# KiCad board ENV_KB_RP2040.kicad_pcb
title: EnvKB; date: 2021-04-06; rev: Rev.1
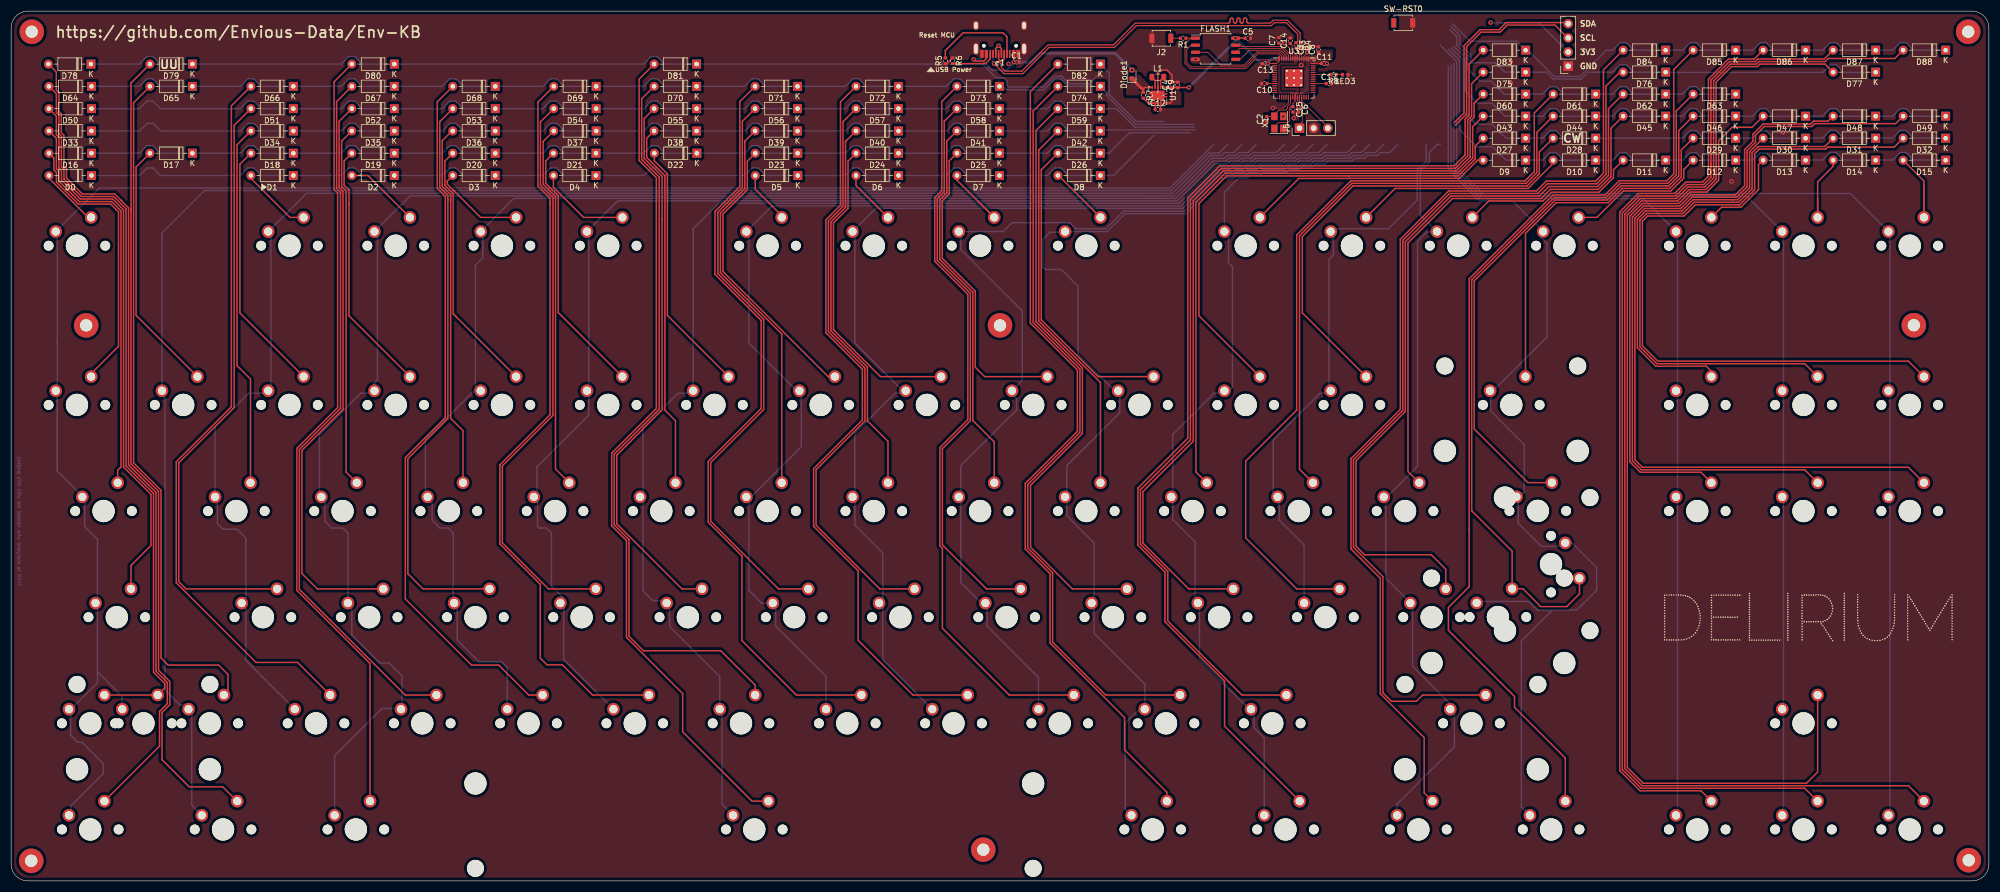
[diagram p0: board, top side]
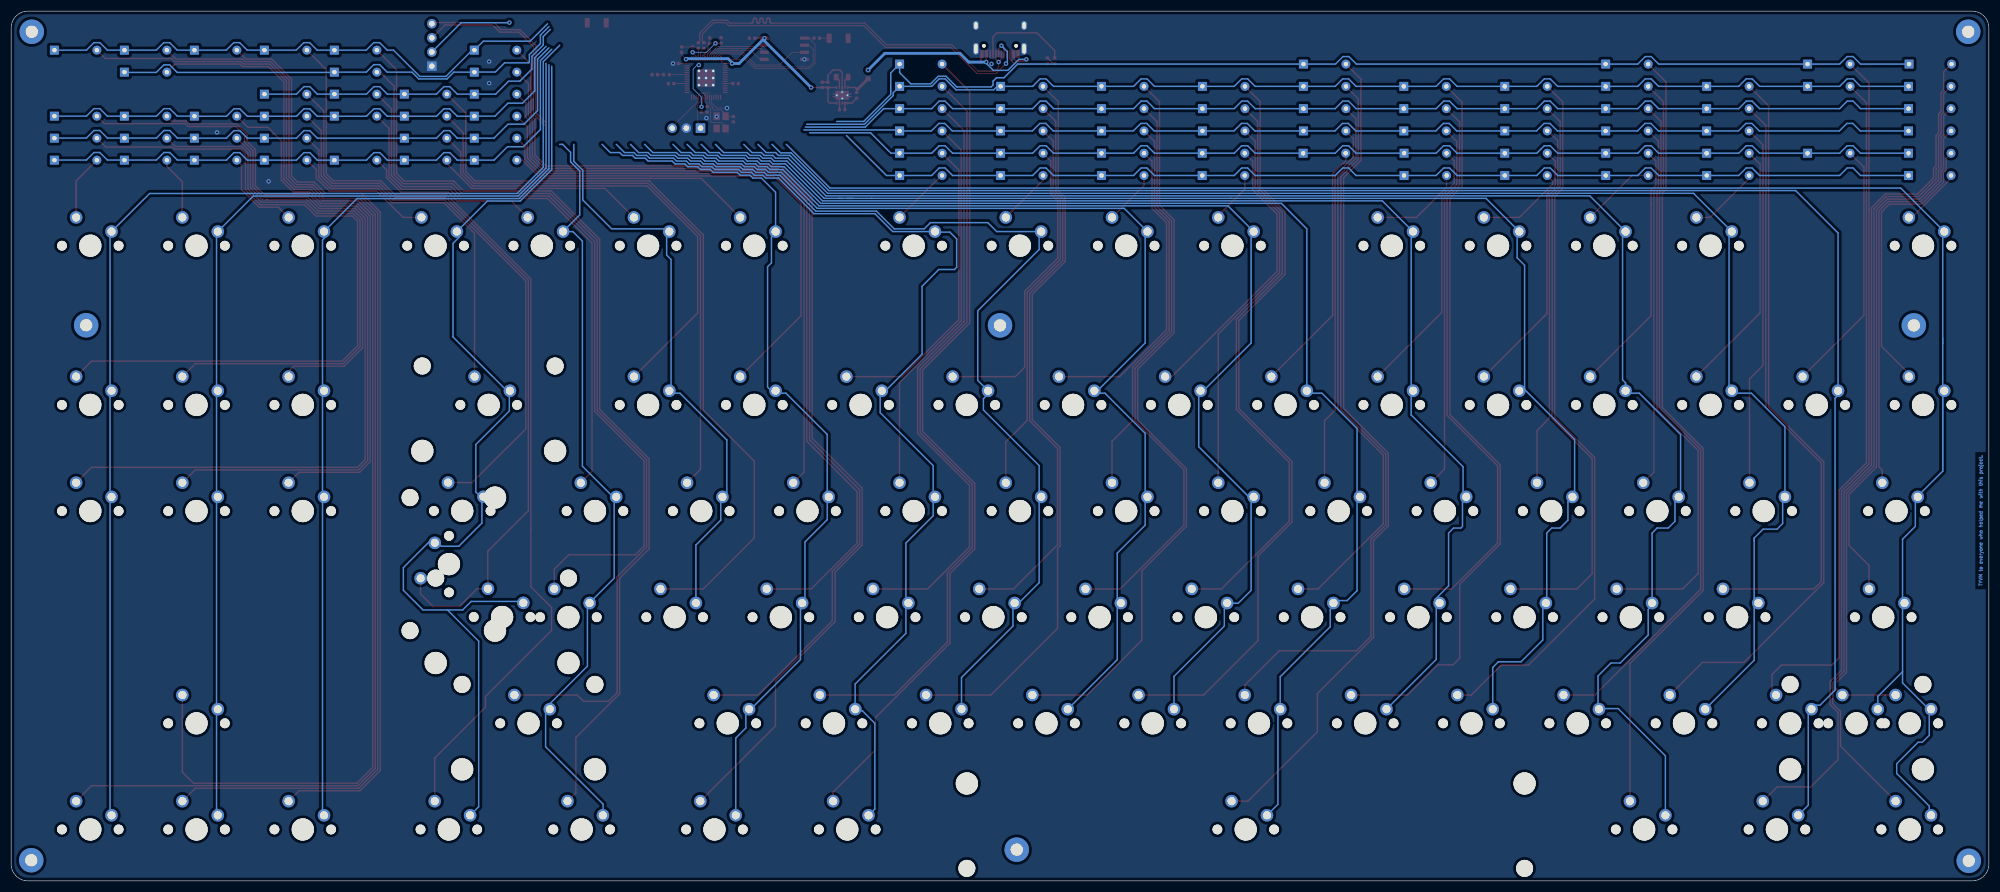
[diagram p1: board, bottom side, seen from below]

Outline 354.6 x 156.1 mm; copper layers: Top, Bottom. Coordinates in mm from the lower left corner of the outline.
Outline path: 0,153.1 arc(0.88,155.22) 3,156.1 351.6,156.1 arc(353.72,155.22) 354.6,153.1 354.6,3 arc(353.72,0.88) 351.6,0 3,0 arc(0.88,0.88) 0,3 0,153.1

## Placement (name value [footprint] x y rotation side)
C1  10uf 0402  [C_0402_1005Metric]  180.25 146.95 0 top
C2  15pf 0402  [C_0402_1005Metric]  225.1 136.7 90 top
C3  1uf 0402  [C_0402_1005Metric]  232.4 149.2 90 top
C4  10uf 0402  [C_0402_1005Metric]  208.15 142.87 90 top
C5  100nf 0402  [C_0402_1005Metric]  221.75 151.25 0 top
C6  100nf 0402  [C_0402_1005Metric]  230.82 138.45 270 top
C7  100nf 0402  [C_0402_1005Metric]  227.3 150.85 90 top
C8  100nf 0402  [C_0402_1005Metric]  234.4 149.2 90 top
C9  10uf 0402  [C_0402_1005Metric]  209.18 142.87 90 top
C10  1uf 0402  [C_0402_1005Metric]  224.7 143.1 180 top
C11  100nf 0402  [C_0402_1005Metric]  235.45 146.7 0 top
C12  0.1uf 0402  [C_0402_1005Metric]  205.6 138.43 0 top
C13  100nf 0402  [C_0402_1005Metric]  224.85 146.7 180 top
C14  100nf 0402  [C_0402_1005Metric]  229.35 150.8 90 top
C15  100nf 0402  [C_0402_1005Metric]  229.82 138.47 270 top
C17  10uf 0402  [C_0402_1005Metric]  236.27 143.1 0 top
D0  D  [D_DO-35_SOD27_P7.62mm_Horizontal]  14.4 126.6 180 top
D1  D  [D_DO-35_SOD27_P7.62mm_Horizontal]  50.6 126.6 180 top
D2  D  [D_DO-35_SOD27_P7.62mm_Horizontal]  68.7 126.6 180 top
D3  D  [D_DO-35_SOD27_P7.62mm_Horizontal]  86.8 126.6 180 top
D4  D  [D_DO-35_SOD27_P7.62mm_Horizontal]  104.85 126.6 180 top
D5  D  [D_DO-35_SOD27_P7.62mm_Horizontal]  141.04 126.6 180 top
D6  D  [D_DO-35_SOD27_P7.62mm_Horizontal]  159.1 126.6 180 top
D7  D  [D_DO-35_SOD27_P7.62mm_Horizontal]  177.2 126.6 180 top
D8  D  [D_DO-35_SOD27_P7.62mm_Horizontal]  195.3 126.6 180 top
D9  D  [D_DO-35_SOD27_P7.62mm_Horizontal]  271.55 129.35 180 top
D10  D  [D_DO-35_SOD27_P7.62mm_Horizontal]  284.1 129.35 180 top
D11  D  [D_DO-35_SOD27_P7.62mm_Horizontal]  296.65 129.35 180 top
D12  D  [D_DO-35_SOD27_P7.62mm_Horizontal]  309.2 129.35 180 top
D13  D  [D_DO-35_SOD27_P7.62mm_Horizontal]  321.75 129.35 180 top
D14  D  [D_DO-35_SOD27_P7.62mm_Horizontal]  334.3 129.35 180 top
D15  D  [D_DO-35_SOD27_P7.62mm_Horizontal]  346.85 129.35 180 top
D16  D  [D_DO-35_SOD27_P7.62mm_Horizontal]  14.4 130.6 180 top
D17  D  [D_DO-35_SOD27_P7.62mm_Horizontal]  32.5 130.6 180 top
D18  D  [D_DO-35_SOD27_P7.62mm_Horizontal]  50.6 130.6 180 top
D19  D  [D_DO-35_SOD27_P7.62mm_Horizontal]  68.7 130.6 180 top
D20  D  [D_DO-35_SOD27_P7.62mm_Horizontal]  86.8 130.6 180 top
D21  D  [D_DO-35_SOD27_P7.62mm_Horizontal]  104.85 130.6 180 top
D22  D  [D_DO-35_SOD27_P7.62mm_Horizontal]  122.94 130.6 180 top
D23  D  [D_DO-35_SOD27_P7.62mm_Horizontal]  141.03 130.6 180 top
D24  D  [D_DO-35_SOD27_P7.62mm_Horizontal]  159.1 130.6 180 top
D25  D  [D_DO-35_SOD27_P7.62mm_Horizontal]  177.2 130.6 180 top
D26  D  [D_DO-35_SOD27_P7.62mm_Horizontal]  195.3 130.6 180 top
D27  D  [D_DO-35_SOD27_P7.62mm_Horizontal]  271.55 133.3 180 top
D28  D  [D_DO-35_SOD27_P7.62mm_Horizontal]  284.1 133.3 180 top
D29  D  [D_DO-35_SOD27_P7.62mm_Horizontal]  309.2 133.3 180 top
D30  D  [D_DO-35_SOD27_P7.62mm_Horizontal]  321.75 133.3 180 top
D31  D  [D_DO-35_SOD27_P7.62mm_Horizontal]  334.3 133.3 180 top
D32  D  [D_DO-35_SOD27_P7.62mm_Horizontal]  346.85 133.3 180 top
D33  D  [D_DO-35_SOD27_P7.62mm_Horizontal]  14.4 134.6 180 top
D34  D  [D_DO-35_SOD27_P7.62mm_Horizontal]  50.6 134.6 180 top
D35  D  [D_DO-35_SOD27_P7.62mm_Horizontal]  68.7 134.6 180 top
D36  D  [D_DO-35_SOD27_P7.62mm_Horizontal]  86.8 134.6 180 top
D37  D  [D_DO-35_SOD27_P7.62mm_Horizontal]  104.9 134.6 180 top
D38  D  [D_DO-35_SOD27_P7.62mm_Horizontal]  122.9 134.6 180 top
D39  D  [D_DO-35_SOD27_P7.62mm_Horizontal]  141 134.6 180 top
D40  D  [D_DO-35_SOD27_P7.62mm_Horizontal]  159.1 134.6 180 top
D41  D  [D_DO-35_SOD27_P7.62mm_Horizontal]  177.2 134.6 180 top
D42  D  [D_DO-35_SOD27_P7.62mm_Horizontal]  195.3 134.6 180 top
D43  D  [D_DO-35_SOD27_P7.62mm_Horizontal]  271.55 137.25 180 top
D44  D  [D_DO-35_SOD27_P7.62mm_Horizontal]  284.1 137.25 180 top
D45  D  [D_DO-35_SOD27_P7.62mm_Horizontal]  296.65 137.25 180 top
D46  D  [D_DO-35_SOD27_P7.62mm_Horizontal]  309.2 137.25 180 top
D47  D  [D_DO-35_SOD27_P7.62mm_Horizontal]  321.75 137.25 180 top
D48  D  [D_DO-35_SOD27_P7.62mm_Horizontal]  334.3 137.25 180 top
D49  D  [D_DO-35_SOD27_P7.62mm_Horizontal]  346.85 137.25 180 top
D50  D  [D_DO-35_SOD27_P7.62mm_Horizontal]  14.4 138.6 180 top
D51  D  [D_DO-35_SOD27_P7.62mm_Horizontal]  50.6 138.6 180 top
D52  D  [D_DO-35_SOD27_P7.62mm_Horizontal]  68.7 138.6 180 top
D53  D  [D_DO-35_SOD27_P7.62mm_Horizontal]  86.8 138.6 180 top
D54  D  [D_DO-35_SOD27_P7.62mm_Horizontal]  104.9 138.6 180 top
D55  D  [D_DO-35_SOD27_P7.62mm_Horizontal]  122.9 138.6 180 top
D56  D  [D_DO-35_SOD27_P7.62mm_Horizontal]  141 138.6 180 top
D57  D  [D_DO-35_SOD27_P7.62mm_Horizontal]  159.1 138.6 180 top
D58  D  [D_DO-35_SOD27_P7.62mm_Horizontal]  177.2 138.6 180 top
D59  D  [D_DO-35_SOD27_P7.62mm_Horizontal]  195.3 138.6 180 top
D60  D  [D_DO-35_SOD27_P7.62mm_Horizontal]  271.55 141.2 180 top
D61  D  [D_DO-35_SOD27_P7.62mm_Horizontal]  284.1 141.2 180 top
D62  D  [D_DO-35_SOD27_P7.62mm_Horizontal]  296.65 141.2 180 top
D63  D  [D_DO-35_SOD27_P7.62mm_Horizontal]  309.2 141.2 180 top
D64  D  [D_DO-35_SOD27_P7.62mm_Horizontal]  14.4 142.6 180 top
D65  D  [D_DO-35_SOD27_P7.62mm_Horizontal]  32.5 142.6 180 top
D66  D  [D_DO-35_SOD27_P7.62mm_Horizontal]  50.6 142.6 180 top
D67  D  [D_DO-35_SOD27_P7.62mm_Horizontal]  68.7 142.6 180 top
D68  D  [D_DO-35_SOD27_P7.62mm_Horizontal]  86.8 142.6 180 top
D69  D  [D_DO-35_SOD27_P7.62mm_Horizontal]  104.9 142.6 180 top
D70  D  [D_DO-35_SOD27_P7.62mm_Horizontal]  122.9 142.6 180 top
D71  D  [D_DO-35_SOD27_P7.62mm_Horizontal]  141 142.6 180 top
D72  D  [D_DO-35_SOD27_P7.62mm_Horizontal]  159.1 142.6 180 top
D73  D  [D_DO-35_SOD27_P7.62mm_Horizontal]  177.2 142.6 180 top
D74  D  [D_DO-35_SOD27_P7.62mm_Horizontal]  195.3 142.6 180 top
D75  D  [D_DO-35_SOD27_P7.62mm_Horizontal]  271.55 145.15 180 top
D76  D  [D_DO-35_SOD27_P7.62mm_Horizontal]  296.65 145.15 180 top
D77  D  [D_DO-35_SOD27_P7.62mm_Horizontal]  334.3 145.15 180 top
D78  D  [D_DO-35_SOD27_P7.62mm_Horizontal]  14.3 146.6 180 top
D79  D  [D_DO-35_SOD27_P7.62mm_Horizontal]  32.5 146.6 180 top
D80  D  [D_DO-35_SOD27_P7.62mm_Horizontal]  68.7 146.6 180 top
D81  D  [D_DO-35_SOD27_P7.62mm_Horizontal]  122.9 146.6 180 top
D82  D  [D_DO-35_SOD27_P7.62mm_Horizontal]  195.3 146.6 180 top
D83  D  [D_DO-35_SOD27_P7.62mm_Horizontal]  271.55 149.1 180 top
D84  D  [D_DO-35_SOD27_P7.62mm_Horizontal]  296.65 149.1 180 top
D85  D  [D_DO-35_SOD27_P7.62mm_Horizontal]  309.2 149.1 180 top
D86  D  [D_DO-35_SOD27_P7.62mm_Horizontal]  321.75 149.1 180 top
D87  D  [D_DO-35_SOD27_P7.62mm_Horizontal]  334.3 149.1 180 top
D88  D  [D_DO-35_SOD27_P7.62mm_Horizontal]  346.85 149.1 180 top
Diode1  SCHOTTKY DIODE  [D_0603_1608Metric]  200.95 144.75 90 top
e1  TYPE-C-31-M-12  [HRO-TYPE-C-31-M-12]  177.3 156.12 180 top
FLASH1  W25Q16JVSSIQ  [SOIC-8_5.275x5.275mm_P1.27mm]  215.95 149.35 0 top
G***  LOGO  [KBLogo]  322.2 47.32 0 top
H0  MountingHole  [MountingHole_2.2mm_M2_Pad]  3.7 152.4 0 top
H1  MountingHole  [MountingHole_2.2mm_M2_Pad]  350.9 152.4 0 top
H3  MountingHole  [MountingHole_2.2mm_M2_Pad]  3.6 3.6 0 top
H4  MountingHole  [MountingHole_2.2mm_M2_Pad]  351 3.7 0 top
H6  MountingHole  [MountingHole_2.2mm_M2_Pad]  177.3 99.7 0 top
H7  MountingHole  [MountingHole_2.2mm_M2_Pad]  174.3 5.6 0 top
H9  MountingHole  [MountingHole_2.2mm_M2_Pad]  13.45 99.7 0 top
H10  MountingHole  [MountingHole_2.2mm_M2_Pad]  341.15 99.72 0 top
I2CHeader0  Conn_01x04  [PinSocket_1x04_P2.54mm_Vertical]  279.18 146.22 180 top
J2  B3U-1000P  [SW_SPST_B3U-1000P]  206.23 151.22 180 top
J5  Conn_01x03_Male  [PinHeader_1x03_P2.54mm_Vertical]  231 135.1 90 top
K_0  KEYSW  [MXOnly-1U-NoLED]  11.8 114 0 top
K_1  KEYSW  [MXOnly-1U-NoLED]  49.9 114 0 top
K_2  KEYSW  [MXOnly-1U-NoLED]  68.95 114 0 top
K_3  KEYSW  [MXOnly-1U-NoLED]  88 114 0 top
K_4  KEYSW  [MXOnly-1U-NoLED]  107.05 114 0 top
K_5  KEYSW  [MXOnly-1U-NoLED]  135.62 114 0 top
K_6  KEYSW  [MXOnly-1U-NoLED]  154.68 114 0 top
K_7  KEYSW  [MXOnly-1U-NoLED]  173.73 114 0 top
K_8  KEYSW  [MXOnly-1U-NoLED]  192.77 114 0 top
K_9  KEYSW  [MXOnly-1U-NoLED]  221.35 114 0 top
K_10  KEYSW  [MXOnly-1U-NoLED]  240.4 114 0 top
K_11  KEYSW  [MXOnly-1U-NoLED]  259.45 114 0 top
K_12  KEYSW  [MXOnly-1U-NoLED]  278.5 114 0 top
K_13  KEYSW  [MXOnly-1U-NoLED]  302.31 114 0 top
K_14  KEYSW  [MXOnly-1U-NoLED]  321.36 114 0 top
K_15  KEYSW  [MXOnly-1U-NoLED]  340.41 114 0 top
K_16  KEYSW  [MXOnly-1U-NoLED]  11.8 85.42 0 top
K_17  KEYSW  [MXOnly-1U-NoLED]  30.85 85.42 0 top
K_18  KEYSW  [MXOnly-1U-NoLED]  49.9 85.42 0 top
K_19  KEYSW  [MXOnly-1U-NoLED]  68.95 85.42 0 top
K_20  KEYSW  [MXOnly-1U-NoLED]  88 85.42 0 top
K_21  KEYSW  [MXOnly-1U-NoLED]  107.05 85.42 0 top
K_22  KEYSW  [MXOnly-1U-NoLED]  126.1 85.42 0 top
K_23  KEYSW  [MXOnly-1U-NoLED]  145.15 85.42 0 top
K_24  KEYSW  [MXOnly-1U-NoLED]  164.2 85.42 0 top
K_25  KEYSW  [MXOnly-1U-NoLED]  183.25 85.42 0 top
K_26  KEYSW  [MXOnly-1U-NoLED]  202.3 85.42 0 top
K_27  KEYSW  [MXOnly-1U-NoLED]  221.35 85.42 0 top
K_28  KEYSW  [MXOnly-1U-NoLED]  240.4 85.42 0 top
K_29  KEYSW  [MXOnly-2U-NoLED]  268.97 85.42 0 top
K_30  KEYSW  [MXOnly-1U-NoLED]  302.31 85.42 0 top
K_31  KEYSW  [MXOnly-1U-NoLED]  321.36 85.42 0 top
K_32  KEYSW  [MXOnly-1U-NoLED]  340.41 85.42 0 top
K_33  KEYSW  [MXOnly-1.5U-NoLED]  16.56 66.38 0 top
K_34  KEYSW  [MXOnly-1U-NoLED]  40.38 66.38 0 top
K_35  KEYSW  [MXOnly-1U-NoLED]  59.42 66.38 0 top
K_36  KEYSW  [MXOnly-1U-NoLED]  78.48 66.38 0 top
K_37  KEYSW  [MXOnly-1U-NoLED]  97.52 66.38 0 top
K_38  KEYSW  [MXOnly-1U-NoLED]  116.58 66.38 0 top
K_39  KEYSW  [MXOnly-1U-NoLED]  135.62 66.38 0 top
K_40  KEYSW  [MXOnly-1U-NoLED]  154.68 66.38 0 top
K_41  KEYSW  [MXOnly-1U-NoLED]  173.73 66.38 0 top
K_42  KEYSW  [MXOnly-1U-NoLED]  192.77 66.38 0 top
K_43  KEYSW  [MXOnly-1U-NoLED]  211.82 66.38 0 top
K_44  KEYSW  [MXOnly-1U-NoLED]  230.88 66.38 0 top
K_45  KEYSW  [MXOnly-1U-NoLED]  249.93 66.38 0 top
K_46  KEYSW  [MXOnly-1.5U-NoLED]  273.72 66.4 0 top
K_47  KEYSW  [MXOnly-1U-NoLED]  302.31 66.38 0 top
K_48  KEYSW  [MXOnly-1U-NoLED]  321.36 66.38 0 top
K_49  KEYSW  [MXOnly-1U-NoLED]  340.41 66.38 0 top
K_50  KEYSW  [MXOnly-1.75U-NoLED]  18.94 47.32 0 top
K_51  KEYSW  [MXOnly-1U-NoLED]  45.14 47.32 0 top
K_52  KEYSW  [MXOnly-1U-NoLED]  64.19 47.32 0 top
K_53  KEYSW  [MXOnly-1U-NoLED]  83.24 47.32 0 top
K_54  KEYSW  [MXOnly-1U-NoLED]  102.29 47.32 0 top
K_55  KEYSW  [MXOnly-1U-NoLED]  121.34 47.32 0 top
K_56  KEYSW  [MXOnly-1U-NoLED]  140.39 47.32 0 top
K_57  KEYSW  [MXOnly-1U-NoLED]  159.44 47.32 0 top
K_58  KEYSW  [MXOnly-1U-NoLED]  178.49 47.32 0 top
K_59  KEYSW  [MXOnly-1U-NoLED]  197.54 47.32 0 top
K_60  KEYSW  [MXOnly-1U-NoLED]  216.59 47.32 0 top
K_61  KEYSW  [MXOnly-1U-NoLED]  235.64 47.32 0 top
K_62  KEYSW  [MXOnly-1U-NoLED]  254.69 47.32 0 top
K_63  MX-NoLED  [MXOnly-ISO-ROTATED-ReversedStabilizers-NoLED]  276.1 56.85 0 top
K_63B1  MX-NoLED  [MXOnly-2.25U-NoLED]  266.57 47.35 0 top
K_64  KEYSW  [MXOnly-1.25U-NoLED]  14.18 28.28 0 top
K_64B1  KEYSW  [MXOnly-2.25U-NoLED]  23.73 28.28 0 top
K_65  KEYSW  [MXOnly-1U-NoLED]  35.61 28.28 0 top
K_66  KEYSW  [MXOnly-1U-NoLED]  54.66 28.28 0 top
K_67  KEYSW  [MXOnly-1U-NoLED]  73.71 28.28 0 top
K_68  KEYSW  [MXOnly-1U-NoLED]  92.76 28.28 0 top
K_69  KEYSW  [MXOnly-1U-NoLED]  111.81 28.28 0 top
K_70  KEYSW  [MXOnly-1U-NoLED]  130.86 28.28 0 top
K_71  KEYSW  [MXOnly-1U-NoLED]  149.91 28.28 0 top
K_72  KEYSW  [MXOnly-1U-NoLED]  168.96 28.28 0 top
K_73  KEYSW  [MXOnly-1U-NoLED]  188.01 28.28 0 top
K_74  KEYSW  [MXOnly-1U-NoLED]  207.06 28.28 0 top
K_75  KEYSW  [MXOnly-1U-NoLED]  226.11 28.28 0 top
K_76  KEYSW  [MXOnly-2.75U-NoLED]  261.83 28.28 0 top
K_77  KEYSW  [MXOnly-1U-NoLED]  321.36 28.28 0 top
K_78  KEYSW  [MXOnly-1.25U-NoLED]  14.18 9.22 0 top
K_79  KEYSW  [MXOnly-1.25U-NoLED]  37.99 9.22 0 top
K_80  KEYSW  [MXOnly-1.25U-NoLED]  61.81 9.22 0 top
K_81  KEYSW  [MXOnly-6.25U-ReversedStabilizers-NoLED]  133.24 9.22 0 top
K_82  KEYSW  [MXOnly-1.25U-NoLED]  204.68 9.22 0 top
K_83  KEYSW  [MXOnly-1.25U-NoLED]  228.49 9.22 0 top
K_84  KEYSW  [MXOnly-1.25U-NoLED]  252.31 9.22 0 top
K_85  KEYSW  [MXOnly-1.25U-NoLED]  276.12 9.22 0 top
K_86  KEYSW  [MXOnly-1U-NoLED]  302.31 9.22 0 top
K_87  KEYSW  [MXOnly-1U-NoLED]  321.36 9.22 0 top
K_88  KEYSW  [MXOnly-1U-NoLED]  340.41 9.22 0 top
L1  Inductor 2.2uh  [L_0805_2012Metric]  205.6 144.25 0 top
LED3  LED 0402 YELLOW  [LED_0402_1005Metric]  239.2 144.7 180 top
R1  1k Resistor  [C_0402_1005Metric]  210.15 151.25 180 top
R3  27Ohms  0402 Resistor  [C_0402_1005Metric]  230.4 149.95 270 top
R4  27Ohms 0402 Resistor  [C_0402_1005Metric]  231.4 149.95 270 top
R5  5.1K  [R_0402_1005Metric]  167.5 147.2 90 top
R6  5.1K  [R_0402_1005Metric]  168.8 147.2 270 top
R7  100ohm  [R_0402_1005Metric]  203 140.99 270 top
R8  470 ohm resistor  [R_0402_1005Metric]  237.1 144.7 180 top
SW-RST0  B3U-1000  [SW_SPST_B3U-1000P]  249.6 154 0 top
U1  TPS63002  [Texas_DRC0010J_ThermalVias]  205.6 141 270 top
U3  RP2040  [RP2040-QFN-56]  230 144.1 0 top
X1  XO 32 12Mhz 3225 seiko  [Crystal_SMD_SeikoEpson_TSX3225-4Pin_3.2x2.5mm]  227.3 136.12 90 top

## Footprints (pads in the part's own frame, mm; a bottom-side part is the same pattern mirrored in y, then rotated)
C_0402_1005Metric
  rrect 0.56x0.62 smd: 1(-0.48,0) 2(0.48,0)
Crystal_SMD_SeikoEpson_TSX3225-4Pin_3.2x2.5mm
  rect 1.4x1.15 smd: 1(-1.1,-0.8) 2(1.1,-0.8) 3(1.1,0.8) 4(-1.1,0.8)
D_0603_1608Metric
  rrect 0.875x0.95 smd: 1(-0.787,0) 2(0.787,0)
D_DO-35_SOD27_P7.62mm_Horizontal
  rect 1.6x1.6 hole 0.8: 1(0,0)
  oval 1.6x1.6 hole 0.8: 2(7.62,0)
HRO-TYPE-C-31-M-12
  round 0.65 hole 0.65 unplated: (-2.89,6.25) (2.89,6.25)
  rect 0.6x1.45 smd: 1(-3.225,7.695) 2(-2.45,7.695) 11(2.45,7.695) 12(3.225,7.695)
  rect 0.3x1.45 smd: 3(-1.75,7.695) 4(-1.25,7.695) 5(-0.75,7.695) 6(-0.25,7.695) 7(0.25,7.695) 8(0.75,7.695) 9(1.25,7.695) 10(1.75,7.695)
  oval 1x2.1 hole 0.6x1.7: 13(-4.32,6.78) 13(4.32,6.78)
  oval 1x1.6 hole 0.6x1.2: 13(-4.32,2.6) 13(4.32,2.6)
L_0805_2012Metric
  rrect 0.875x1.2 smd: 1(-1.062,0) 2(1.062,0)
LED_0402_1005Metric
  rrect 0.59x0.64 smd: 1(-0.485,0) 2(0.485,0)
MountingHole_2.2mm_M2_Pad
  round 4.4 hole 2.2: 1(0,0)
MXOnly-1.5U-NoLED
  round 1.75 hole 1.75 unplated: (-5.08,0) (5.08,0)
  round 3.988 hole 3.988 unplated: (0,0)
  round 2.25 hole 1.47: 1(-3.81,2.54) 2(2.54,5.08)
MXOnly-1.25U-NoLED
  round 1.75 hole 1.75 unplated: (-5.08,0) (5.08,0)
  round 3.988 hole 3.988 unplated: (0,0)
  round 2.25 hole 1.47: 1(-3.81,2.54) 2(2.54,5.08)
MXOnly-1.75U-NoLED
  round 1.75 hole 1.75 unplated: (-5.08,0) (5.08,0)
  round 3.988 hole 3.988 unplated: (0,0)
  round 2.25 hole 1.47: 1(-3.81,2.54) 2(2.54,5.08)
MXOnly-1U-NoLED
  round 1.75 hole 1.75 unplated: (-5.08,0) (5.08,0)
  round 3.988 hole 3.988 unplated: (0,0)
  round 2.25 hole 1.47: 1(-3.81,2.54) 2(2.54,5.08)
MXOnly-2.25U-NoLED
  round 3.048 hole 3.048 unplated: (-11.906,6.985) (11.906,6.985)
  round 3.988 hole 3.988 unplated: (-11.906,-8.255) (0,0) (11.906,-8.255)
  round 1.75 hole 1.75 unplated: (-5.08,0) (5.08,0)
  round 2.25 hole 1.47: 1(-3.81,2.54) 2(2.54,5.08)
MXOnly-2.75U-NoLED
  round 3.048 hole 3.048 unplated: (-11.906,6.985) (11.906,6.985)
  round 3.988 hole 3.988 unplated: (-11.906,-8.255) (0,0) (11.906,-8.255)
  round 1.75 hole 1.75 unplated: (-5.08,0) (5.08,0)
  round 2.25 hole 1.47: 1(-3.81,2.54) 2(2.54,5.08)
MXOnly-2U-NoLED
  round 3.048 hole 3.048 unplated: (-11.906,6.985) (11.906,6.985)
  round 3.988 hole 3.988 unplated: (-11.906,-8.255) (0,0) (11.906,-8.255)
  round 1.75 hole 1.75 unplated: (-5.08,0) (5.08,0)
  round 2.25 hole 1.47: 1(-3.81,2.54) 2(2.54,5.08)
MXOnly-6.25U-ReversedStabilizers-NoLED
  round 3.988 hole 3.988 unplated: (-50,8.255) (0,0) (50,8.255)
  round 3.048 hole 3.048 unplated: (-50,-6.985) (50,-6.985)
  round 1.75 hole 1.75 unplated: (-5.08,0) (5.08,0)
  round 2.25 hole 1.47: 1(-3.81,2.54) 2(2.54,5.08)
MXOnly-ISO-ROTATED-ReversedStabilizers-NoLED
  round 3.988 hole 3.988 unplated: (-8.255,11.938) (-8.255,-11.938) (0,0)
  round 1.75 hole 1.75 unplated: (0,5.08) (0,-5.08)
  round 3.048 hole 3.048 unplated: (6.985,11.938) (6.985,-11.938)
  round 2.25 hole 1.47: 1(2.54,3.81) 2(5.08,-2.54)
PinHeader_1x03_P2.54mm_Vertical
  rect 1.7x1.7 hole 1: 1(0,0)
  oval 1.7x1.7 hole 1: 2(0,-2.54) 3(0,-5.08)
PinSocket_1x04_P2.54mm_Vertical
  rect 1.7x1.7 hole 1: 1(0,0)
  oval 1.7x1.7 hole 1: 2(0,-2.54) 3(0,-5.08) 4(0,-7.62)
R_0402_1005Metric
  rrect 0.54x0.64 smd: 1(-0.51,0) 2(0.51,0)
RP2040-QFN-56
  rrect 1.084x1.084 smd: (-0.637,0.637) (-0.637,-0.637) (0.637,0.637) (0.637,-0.637)
  rrect 0.875x0.2 smd: 1(-3.438,2.6) 2(-3.438,2.2) 3(-3.438,1.8) 4(-3.438,1.4) 5(-3.438,1) 6(-3.438,0.6) 7(-3.438,0.2) 8(-3.438,-0.2) 9(-3.438,-0.6) 10(-3.438,-1) 11(-3.438,-1.4) 12(-3.438,-1.8) 13(-3.438,-2.2) 14(-3.438,-2.6) 29(3.438,-2.6) 30(3.438,-2.2) 31(3.438,-1.8) 32(3.438,-1.4) 33(3.438,-1) 34(3.438,-0.6) 35(3.438,-0.2) 36(3.438,0.2) 37(3.438,0.6) 38(3.438,1) 39(3.438,1.4) 40(3.438,1.8) 41(3.438,2.2) 42(3.438,2.6)
  rrect 0.2x0.875 smd: 15(-2.6,-3.438) 16(-2.2,-3.438) 17(-1.8,-3.438) 18(-1.4,-3.438) 19(-1,-3.438) 20(-0.6,-3.438) 21(-0.2,-3.438) 22(0.2,-3.438) 23(0.6,-3.438) 24(1,-3.438) 25(1.4,-3.438) 26(1.8,-3.438) 27(2.2,-3.438) 28(2.6,-3.438) 43(2.6,3.438) 44(2.2,3.438) 45(1.8,3.438) 46(1.4,3.438) 47(1,3.438) 48(0.6,3.438) 49(0.2,3.438) 50(-0.2,3.438) 51(-0.6,3.438) 52(-1,3.438) 53(-1.4,3.438) 54(-1.8,3.438) 55(-2.2,3.438) 56(-2.6,3.438)
  round 0.6 hole 0.35: 57(-1.275,1.275) 57(-1.275,0) 57(-1.275,-1.275) 57(0,1.275) 57(0,0) 57(0,-1.275) 57(1.275,1.275) 57(1.275,0) 57(1.275,-1.275)
  rrect 3.2x3.2 smd: 57(0,0)
SOIC-8_5.275x5.275mm_P1.27mm
  rrect 1.6x0.6 smd: 1(-3.6,1.905) 2(-3.6,0.635) 3(-3.6,-0.635) 4(-3.6,-1.905) 5(3.6,-1.905) 6(3.6,-0.635) 7(3.6,0.635) 8(3.6,1.905)
SW_SPST_B3U-1000P
  rect 0.9x1.7 smd: 1(-1.7,0) 2(1.7,0)
Texas_DRC0010J_ThermalVias
  rrect 0.25x0.34 smd: (-0.25,1.53) (-0.25,-1.53) (0.25,1.53) (0.25,-1.53)
  rrect 1.5x1.06 smd: (0,0.63) (0,-0.63)
  rect 0.6x0.24 smd: 1(-1.4,1) 2(-1.4,0.5) 3(-1.4,0) 4(-1.4,-0.5) 5(-1.4,-1) 6(1.4,-1) 7(1.4,-0.5) 8(1.4,0) 9(1.4,0.5) 10(1.4,1)
  round 0.5 hole 0.2: 11(-0.575,0) 11(0,0.95) 11(0,-0.95) 11(0.575,0)
  custom 1.65x3.4 smd: 11(0,0)

## Nets
3.3V: I2CHeader0.2
3V3_EN: C12.1 R7.2 U1.6 U1.7 U1.8
+1V1: C3.1 C6.1 C7.1 U3.23 U3.45 U3.50
+3V3: C4.1 C5.1 C8.1 C9.1 C10.1 C11.1 C13.1 C14.1 C15.1 C17.1 FLASH1.8 U1.1 U1.10 U3.1 U3.10 U3.22 U3.33 U3.42 U3.43 U3.44 U3.48 U3.49 X1.4
GND: C1.2 C2.1 C3.2 C4.2 C5.2 C6.2 C7.2 C8.2 C9.2 C10.2 C11.2 C12.2 C13.2 C14.2 C15.2 C17.2 e1.1 e1.12 e1.13 FLASH1.4 I2CHeader0.1 J2.2 J5.2 LED3.1 R5.1 R6.1 SW-RST0.2 U1.3 U1.9 U1.11 U3.19 U3.57 X1.2
VBUS: C1.1 Diode1.1 Diode1.2 e1.2 e1.11 R7.1 U1.5
/GPIO0: U3.2
/GPIO1: U3.3
/GPIO2: U3.4
/GPIO3: U3.5
/GPIO4: U3.6
/GPIO5: U3.7
/GPIO6: U3.8
/GPIO7: U3.9
/GPIO8: U3.11
/GPIO9: U3.12
/GPIO10: U3.13
/GPIO11: U3.14
/GPIO12: U3.15
/GPIO13: U3.16
/GPIO14: U3.17
/GPIO15: U3.18
/GPIO16: U3.27
/GPIO17: U3.28
/GPIO18: U3.29
/GPIO19: U3.30
/GPIO20: U3.31
/GPIO21: U3.32
/GPIO22: U3.34
/GPIO23: U3.35
/GPIO24: U3.36
/GPIO25: R8.2 U3.37
/GPIO26_ADC0: U3.38
/GPIO27_ADC1: U3.39
/GPIO28_ADC2: U3.40
/GPIO29_ADC3: U3.41
/QSPI_SCLK: FLASH1.6 U3.52
/QSPI_SD0: FLASH1.5 U3.53
/QSPI_SD1: FLASH1.2 U3.55
/QSPI_SD2: FLASH1.3 U3.54
/QSPI_SD3: FLASH1.7 U3.51
/QSPI_SS: FLASH1.1 R1.1 U3.56
/RUN: U3.26
/SWCLK: J5.1 U3.24
/SWD: J5.3 U3.25
/USB_D+: e1.6 e1.8 R3.1
/USB_D-: e1.5 e1.7 R4.1
/XIN: C2.2 U3.20 X1.3
/XOUT: U3.21
/~{USB_BOOT}: J2.1 R1.2
col0: K_0.1 K_16.1 K_33.1 K_50.1 K_64.1 K_64B1.1 K_78.1
col1: K_17.1 K_65.1 K_79.1
col2: K_1.1 K_18.1 K_34.1 K_51.1 K_66.1
col3: K_2.1 K_19.1 K_35.1 K_52.1 K_67.1 K_80.1
col4: K_3.1 K_20.1 K_36.1 K_53.1 K_68.1
col5: K_4.1 K_21.1 K_37.1 K_54.1 K_69.1
col6: K_22.1 K_38.1 K_55.1 K_70.1 K_81.1
col7: K_5.1 K_23.1 K_39.1 K_56.1 K_71.1
col8: K_6.1 K_24.1 K_40.1 K_57.1 K_72.1
col9: K_7.1 K_25.1 K_41.1 K_58.1 K_73.1
col10: K_8.1 K_26.1 K_42.1 K_59.1 K_74.1 K_82.1
col11: K_9.1 K_27.1 K_43.1 K_60.1 K_75.1 K_83.1
col12: K_10.1 K_28.1 K_44.1 K_61.1
col13: K_11.1 K_45.1 K_62.1 K_76.1 K_84.1
col14: K_12.1 K_29.1 K_46.1 K_63.1 K_63B1.1 K_85.1
col15: K_13.1 K_30.1 K_47.1 K_86.1
col16: K_14.1 K_31.1 K_48.1 K_77.1 K_87.1
col17: K_15.1 K_32.1 K_49.1 K_88.1
I2CSCL: I2CHeader0.3
I2CSDA: I2CHeader0.4
Resetbtn: SW-RST0.1
row0: D0.1 D1.1 D2.1 D3.1 D4.1 D5.1 D6.1 D7.1 D8.1 D9.1 D10.1 D11.1 D12.1 D13.1 D14.1 D15.1
row2: D16.1 D17.1 D18.1 D19.1 D20.1 D21.1 D22.1 D23.1 D24.1 D25.1 D26.1 D27.1 D28.1 D29.1 D30.1 D31.1 D32.1
row3: D33.1 D34.1 D35.1 D36.1 D37.1 D38.1 D39.1 D40.1 D41.1 D42.1 D43.1 D44.1 D45.1 D46.1 D47.1 D48.1 D49.1
row4: D50.1 D51.1 D52.1 D53.1 D54.1 D55.1 D56.1 D57.1 D58.1 D59.1 D60.1 D61.1 D62.1 D63.1
row5: D64.1 D65.1 D66.1 D67.1 D68.1 D69.1 D70.1 D71.1 D72.1 D73.1 D74.1 D75.1 D76.1 D77.1
row6: D78.1 D79.1 D80.1 D81.1 D82.1 D83.1 D84.1 D85.1 D86.1 D87.1 D88.1
Net-(D0-Pad2): D0.2 K_0.2
Net-(D1-Pad2): D1.2 K_1.2
Net-(D2-Pad2): D2.2 K_2.2
Net-(D3-Pad2): D3.2 K_3.2
Net-(D4-Pad2): D4.2 K_4.2
Net-(D5-Pad2): D5.2 K_5.2
Net-(D6-Pad2): D6.2 K_6.2
Net-(D7-Pad2): D7.2 K_7.2
Net-(D8-Pad2): D8.2 K_8.2
Net-(D9-Pad2): D9.2 K_9.2
Net-(D10-Pad2): D10.2 K_10.2
Net-(D11-Pad2): D11.2 K_11.2
Net-(D12-Pad2): D12.2 K_12.2
Net-(D13-Pad2): D13.2 K_13.2
Net-(D14-Pad2): D14.2 K_14.2
Net-(D15-Pad2): D15.2 K_15.2
Net-(D16-Pad2): D16.2 K_16.2
Net-(D17-Pad2): D17.2 K_17.2
Net-(D18-Pad2): D18.2 K_18.2